# Altium PCB ADAPTONE_CARTE_DE_SON.PcbDoc (part 2 of 2) (continued)
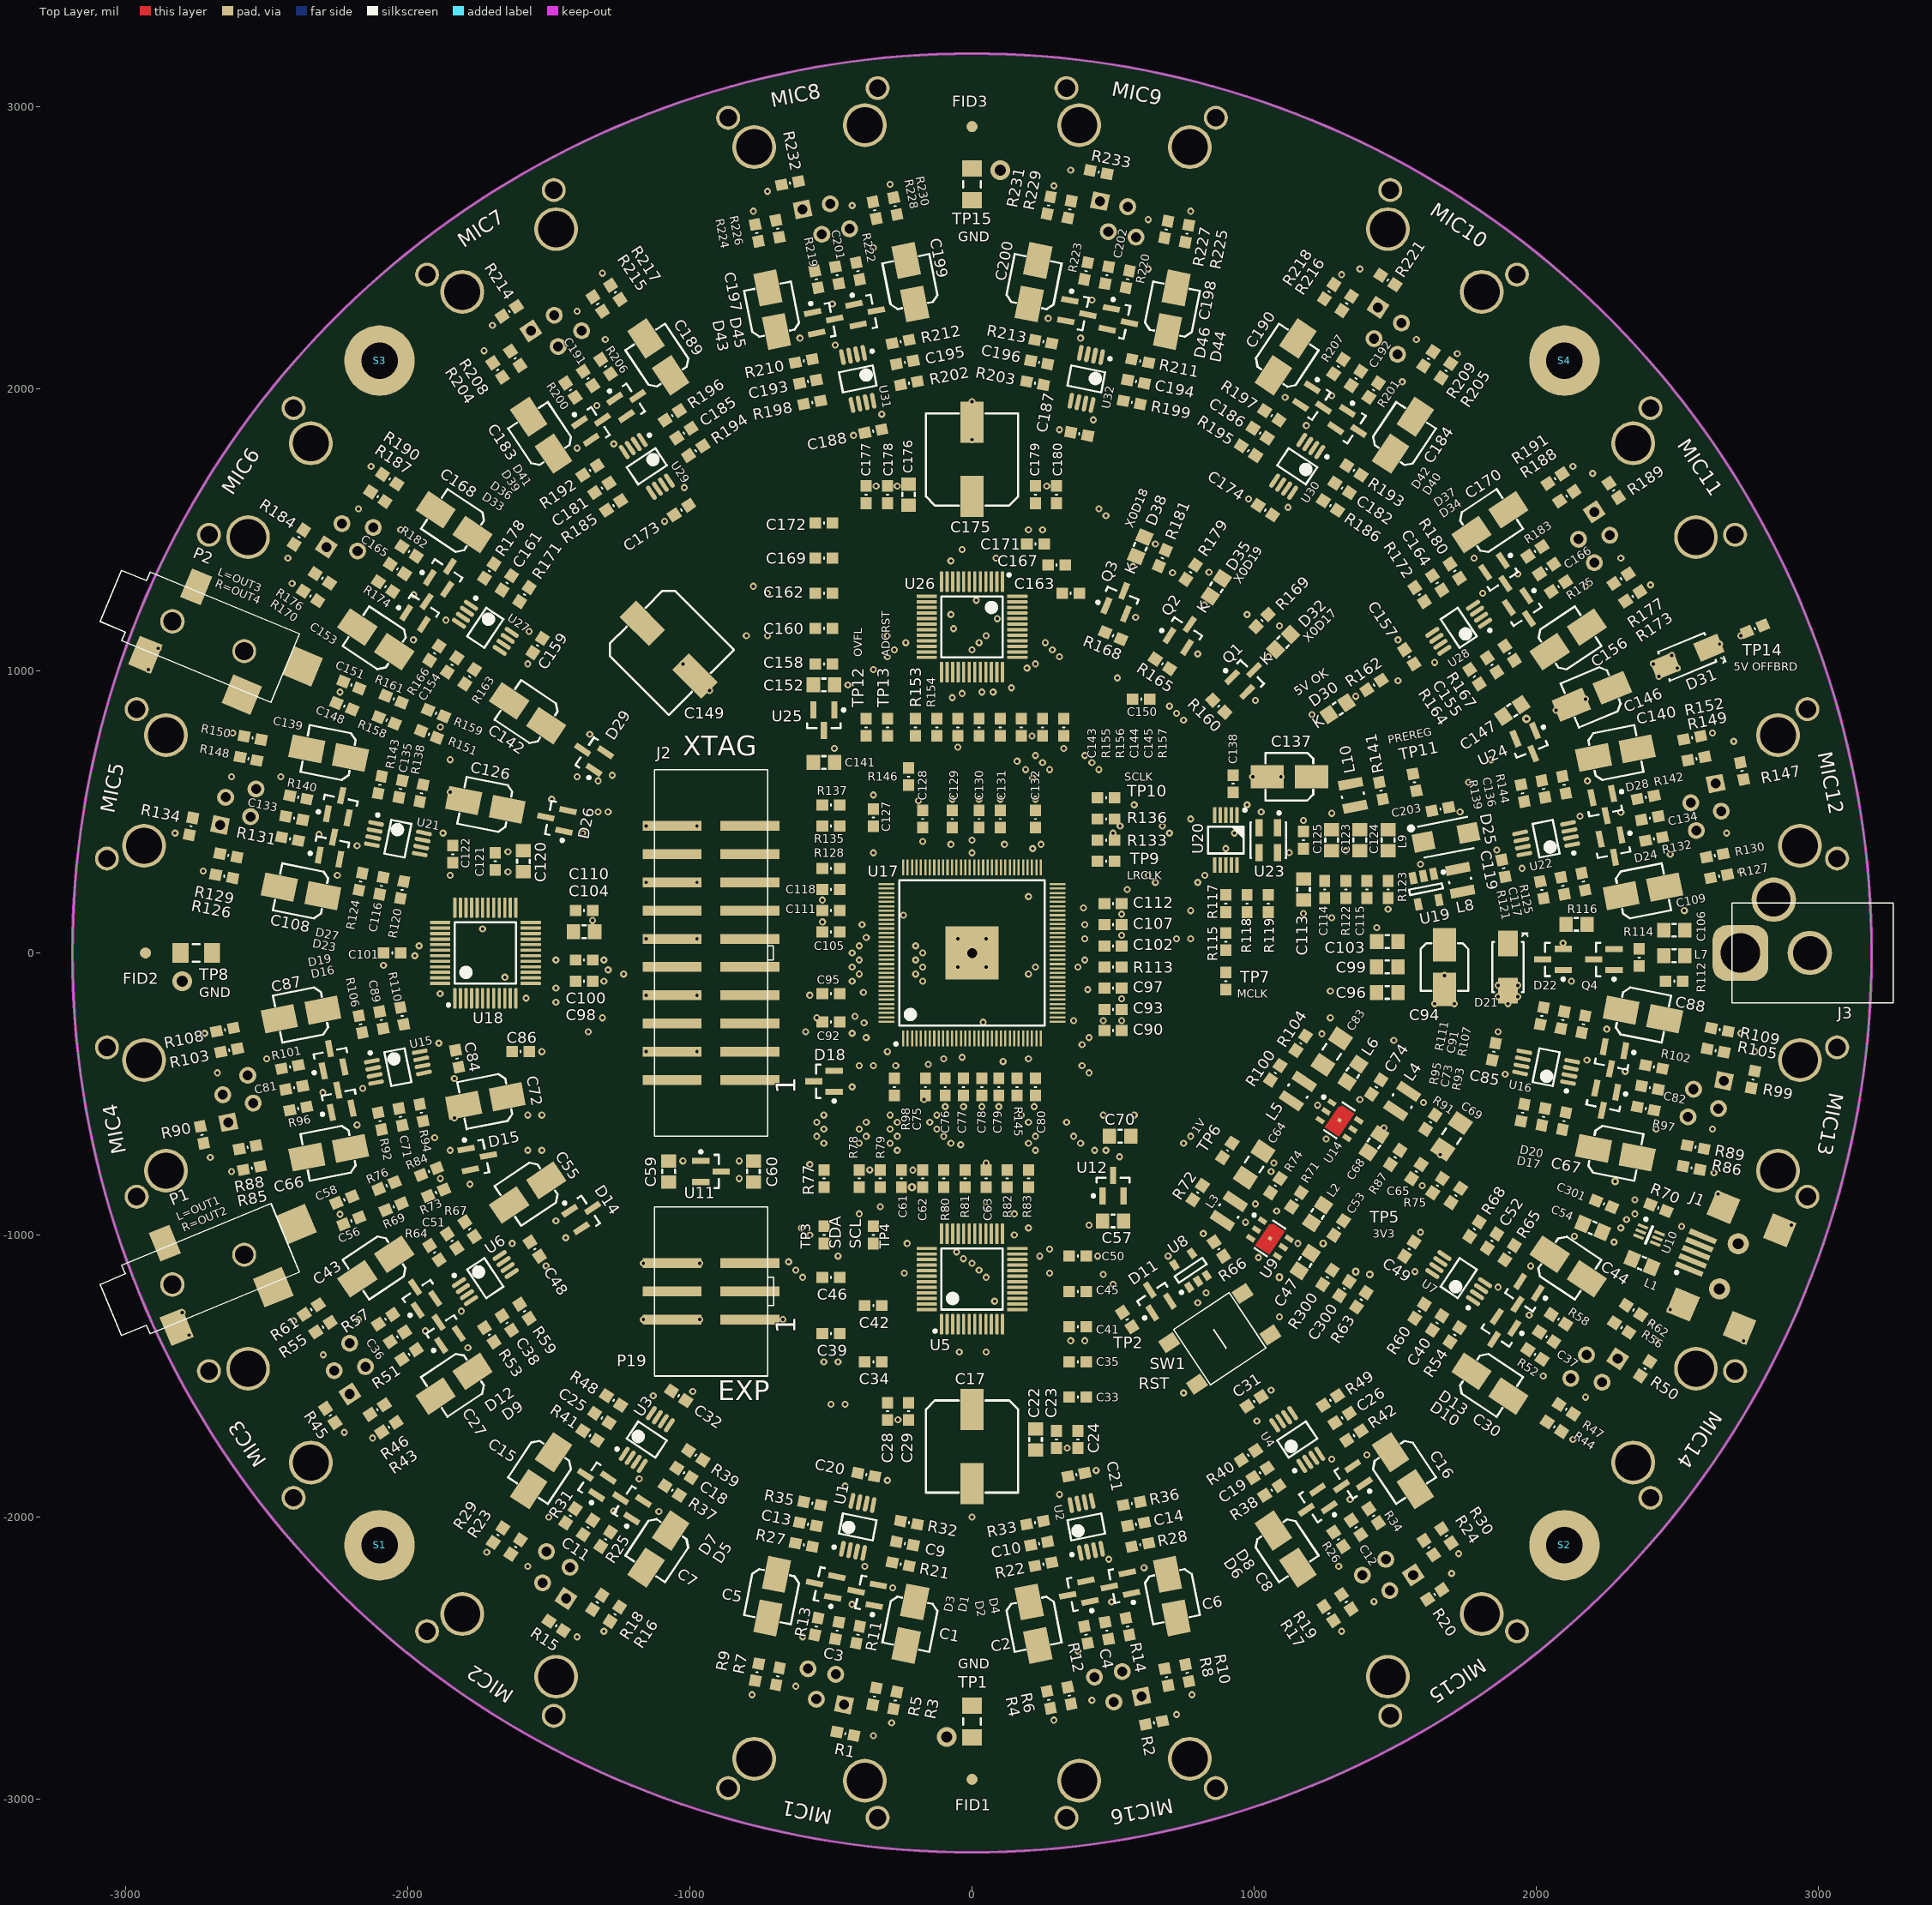
[diagram p0: Top Layer view]
## Nets (pads, with @x,y where several pads share a name; then routed paths per layer and width w, separated by ;. In a path a pad name is that pad's centre, name@x,y a point inside that pad or via, vN(x,y) a via of type N, cw(c..) or ccw(c..) an arc to the next point about the centre after c; other vN are vias at no path point)
+1V0: C53.1 C76.1 C78.1 C79.1 C90.1 C92.1 C93.1 C95.1 C102.1 C112.1 C127.1 C129.1 C131.1 L2.2 R72.1 R128.1 TP6.1 TP6.2 U17.11 U17.16 U17.17 U17.24 U17.36 U17.41 U17.49 U17.56 U17.60 U17.73 U17.80 U17.81 U17.87 U17.101 U17.102 U17.120 U17.126
  other v1: 775,-650 110,-385 -100,-375 -382.5,-247.5 360,-240 465,-240 -385,-140 400,50 395,160 -350,355 0,355 -75,385 115,385
+3V3: C60.1 C61.1 C62.1 C63.1 C69.1 C75.1 C77.1 C80.1 C97.1 C98.1 C101.1 C105.1 C107.1 C111.1 C125.1 C128.1 C130.1 C132.1 C138.1 C143.1 C144.1 C145.1 C301.1 L4.2 R63.1 R77.1 R78.1 R79.1 R91.1 R98.1 R145.1 R157.1 R169.2 R179.2 R181.2 TP5.1 TP5.2 U5.28 U5.33 U5.35 U8.3 U8.5 U11.3 U17.6 U17.14 U17.19 U17.29 U17.42 U17.44 U17.52 U17.67 U17.78 U17.83 U17.92 U17.105 U17.110 U17.111 U18.18 U18.43 U20.1 U23.1 U23.4 U26.28 U26.33 U26.35 U26.38
  other v1: 695,-1075 -100,-905.51 50,-900 -825,-800 -362.5,-769.49 -575,-750 1600,-530.73 -270,-400 -155,-395 200,-375 -35,-370 39.37,-245.63 410,-130 -1475,-25 -1975,-9.84 -375,55 -390,100 400,100 1125,355.71 215,370 -175,395 0,400 975,525 325,725 -70,905 140,940 225,1025 975,1200 710.69,1348.22
  other v2: 1410,-1140 2280,-810
  other v4: -212.5,-830.51
+5V_OFFBOARD: C20.1 C21.1 C31.1 C32.1 C48.1 C49.1 C84.1 C85.1 C119.1 C120.1 C121.1 C122.1 C146.+ C147.1 C157.1 C159.1 C173.1 C174.1 C187.1 C188.1 D1.2 D2.2 D3.2 D4.2 D5.2 D6.2 D7.2 D8.2 D9.2 D10.2 D12.2 D13.2 D14.2 D15.2 D16.2 D17.2 D19.2 D20.2 D23.2 D24.2 D26.2 D27.2 D28.2 D29.2 D31.K D33.2 D34.2 D36.2 D37.2 D39.2 D40.2 D41.2 D42.2 D43.2 D44.2 D45.2 D46.2 R1.2 R2.2 R15.2 R20.2 R45.2 R50.2 R90.2 R99.2 R134.2 R147.2 R162.2 R184.2 R189.2 R214.2 R221.2 R232.2 R233.2 TP14.1 TP14.2 U1.8 U2.8 U3.8 U4.8 U6.8 U7.8 U15.8 U16.8 U18.32 U21.8 U22.8 U24.2 U27.8 U28.8 U29.8 U30.8 U31.8 U32.8
  other v1: -350,-2775 725,-2700 -1400,-2425 -281.06,-2251.06 1700,-2200 610,-2180 -1110,-1980 310,-1920 -450,-1890 1400,-1780 -2225,-1700 1010,-1660 -1130,-1570 -1786.98,-1400 2425,-1375 1570,-1130 1980,-1110 -1630,-1030 -1440,-1010 -1780,-820 -2700,-725 -2180,-610 1890,-430 2775,-350 -1890,-320 2250,-270 -2250,275 -1645,287.6 1950,300 -2825,425 -1875,425 -1490,545 2181.66,610 2700,750 -1355,775 1510,965 1640,1030 2650,1095 -1980,1110 2725,1125 -1570,1140 -2425,1400 1780,1400 1120,1580 -1020,1650 2200,1700 -1400,1790 430,1890 -320,1910 1110,1970 -610,2180 -1700,2225 270,2250 1375,2425 -725,2700 350,2775
+5V_PREREG: C70.1 C123.1 C137.+ C141.1 L10.2 P19.1 R141.1 TP11.1 TP11.2 U12.3 U24.3 U25.3
  other v1: -670,-1300 522.5,-722.5 1275,125 1275,495 1760,605 1840,685 515,975 -350,1005
ADC1_SDOUT1: R155.2 U17.88
ADC1_SDOUT2: R154.2 U17.89
ADC1_SDOUT3: R156.2 U17.62
  other v1: 200,200 245,385
ADC1_SDOUT4: R153.2 U17.90
ADC1_VQ: C133.1 C134.1 C165.1 C166.1 C176.1 C178.1 C191.1 C192.1 C201.1 C202.1 R131.2 R132.1 R140.1 R142.2 R174.2 R175.1 R182.1 R183.2 R200.2 R201.1 R206.1 R207.2 R219.2 R220.1 R222.1 R223.2 U26.7
  other v1: 2475,350 2675,425 -2625,625 -2450,625 2175,1300 2300,1400 -2025,1500 -2175,1575 1525,2025 -1300,2175 1575,2175 -1400,2275 625,2425 -350,2500 625,2600 -425,2650
ADC2_SDOUT1: R81.2 U17.4
ADC2_SDOUT2: R82.2 U17.5
ADC2_SDOUT3: R80.2 U17.3
ADC2_SDOUT4: R83.2 U17.7
ADC2_VQ: C3.1 C4.1 C11.1 C12.1 C22.1 C23.1 C36.1 C37.1 C81.1 C82.1 R11.2 R12.1 R13.1 R14.2 R25.2 R26.1 R31.1 R34.2 R51.2 R52.1 R57.1 R58.2 R96.2 R97.1 R101.1 R102.2 U5.7
  other v1: 425,-2650 -625,-2600 375,-2475 -600,-2425 1425,-2300 -1575,-2175 1300,-2175 -1500,-2000 2175,-1575 2025,-1500 -2300,-1425 -2175,-1300 2425,-625 2625,-625 -2675,-425 -2500,-375
DAC_SDIN1: U17.32 U18.8
  other v1: -525,-625 -400,-625 -290,-625 -125,-625
DAC_SDIN2: U17.91 U18.11
  other v1: -1360,-280 -1310,-230 -400,25 -200,25
GND: C3.2 C4.2 C11.2 C12.2 C17.- C20.2 C21.2 C22.2 C23.2 C24.2 C28.2 C29.2 C31.2 C32.2 C36.2 C37.2 C47.2 C48.2 C49.2 C50.2 C53.2 C54.2 C56.2 C57.2 C58.2 C59.2 C60.2 C61.2 C62.2 C63.2 C64.2 C65.2 C68.2 C69.2 C70.2 C74.2 C75.2 C76.2 C77.2 C78.2 C79.2 C80.2 C81.2 C82.2 C83.2 C84.2 C85.2 C86.2 C90.2 C92.2 C93.2 C94.- C95.2 C96.2 C97.2 C98.2 C99.2 C100.2 C101.2 C102.2 C103.2 C104.2 C105.2 C106.2 C107.2 C110.2 C111.2 C112.2 C113.2 C118.2 C119.2 C120.2 C121.2 C122.2 C123.2 C124.2 C125.2 C127.2 C128.2 C129.2 C130.2 C131.2 C132.2 C133.2 C134.2 C137.- C138.2 C141.2 C143.2 C144.2 C145.2 C146.- C147.2 C148.2 C149.- C151.2 C152.2 C157.2 C158.2 C159.2 C165.2 C166.2 C173.2 C174.2 C175.- C176.2 C177.2 C178.2 C179.2 C180.2 C187.2 C188.2 C191.2 C192.2 C201.2 C202.2 C203.2 C300.2 C301.2 D1.1 D2.1 D3.1 D4.1 D5.1 D6.1 D7.1 D8.1 D9.1 D10.1 D12.1 D13.1 D14.1 D15.1 D16.1 D17.1 D19.1 D20.1 D21.A D22.1 D23.1 D24.1 D26.1 D27.1 D28.1 D29.1 D30.K D31.A D33.1 D34.1 D36.1 D37.1 D39.1 D40.1 D41.1 D42.1 D43.1 D44.1 D45.1 D46.1 D103.K J1.5 J1.MH1 J1.MH2 J1.MH3 J1.MH4 J2.4 J2.8 J2.12 J2.16 J2.20 J3.2 MIC1.3 MIC1.M MIC2.3 MIC2.M MIC3.3 MIC3.M MIC4.3 MIC4.M MIC5.3 MIC5.M MIC6.3 MIC6.M MIC7.3 MIC7.M MIC8.3 MIC8.M MIC9.3 MIC9.M MIC10.3 MIC10.M MIC11.3 MIC11.M MIC12.3 MIC12.M MIC13.3 MIC13.M MIC14.3 MIC14.M MIC15.3 MIC15.M MIC16.3 MIC16.M P1.1 P2.1 P19.2 P19.6 Q1.S Q2.S Q3.S R3.1 R4.1 R9.1 R10.1 R16.1 R17.1 R29.1 R30.1 R43.1 R44.1 R61.1 R62.1 R66.2 R73.1 R74.2 R75.2 R84.1 R85.1 R86.1 R104.2 R108.1 R109.1 R113.1 R123.2 R126.1 R127.1 R150.1 R151.1 R152.1 R159.1 R170.1 R173.1 R190.1 R191.1 R204.1 R205.1 R217.1 R218.1 R224.1 R225.1 R230.1 R231.1 R300.2 S1.1 S2.1 S3.1 S4.1 SW1.2 SW2.2 TP1.1 TP1.2 TP8.1 TP8.2 TP15.1 TP15.2 U1.4 U2.4 U3.4 U4.4 U5.3 U5.5 U5.8 U5.10 U5.19 U5.21 U5.22 U5.29 U5.32 U5.34 U5.37 U5.38 U5.42 U6.4 U7.4 U8.2 U9.2 U9.PAD U10.2 U11.1 U12.1 U14.2 U14.PAD U15.4 U16.4 U17.104 U17.129 U18.1 U18.2 U18.3 U18.5 U18.10 U18.12 U18.17 U18.31 U18.42 U18.44 U18.45 U18.46 U18.47 U18.48 U19.2 U20.2 U20.8 U21.4 U22.4 U23.2 U24.1 U25.1 U26.3 U26.5 U26.8 U26.10 U26.19 U26.21 U26.22 U26.29 U26.32 U26.34 U26.37 U26.42 U27.4 U28.4 U29.4 U30.4 U31.4 U32.4 | length 42.4
  GND Plane w10: v1(2320,-945) 2350,-975
  other v1: -285,-2730 290,-2720 -780,-2630 780,-2630 -1305,-2405 1310,-2405 -425.29,-2309.59 494.78,-2300.77 -380,-2175 485,-2150 1725,-2130 -1720,-2125 0,-2000 -1270,-1979.26 1340,-1937.49 -300,-1870 -1180,-1865 440,-1835 1275,-1795 337.5,-1755.51 2130,-1725 -2125,-1720 -262.5,-1655.51 750,-1560 -990,-1555 1060,-1550 -45,-1415 50,-1415 2735,-1375 -2775,-1355 -1937.49,-1340 2410,-1310 -2405,-1305 -1165,-1300 -965,-1300 1090,-1290 1975,-1283.86 -2800,-1275 -1810,-1270 2475,-1265 80,-1235 -68.9,-1231.1 830,-1205 1865,-1185 -240,-1135 275,-1135 -1510,-1110 -1165,-1100 -965,-1100 1015,-1080 240,-1075 445,-1075 -55,-1060 -230,-1030 2135,-1005 820,-995 1590,-990 2515,-970 415,-965 2905,-965 970,-955 -1475,-950 -2240,-926.24 2645,-855 1595.55,-825.37 -1885,-800 2630,-780 -2625,-775 1060,-775 -210,-770 50,-745 1070,-745 -1025,-737.6 -825,-737.6 1660,-715 -1850,-700 475,-700 1255,-660 1460,-620 -95,-545 -30,-545 35,-545 95,-545 220,-545 1225,-540 -170,-520 1375,-520 -2300.73,-495 -2160,-480 -1835,-445 2315.65,-420 2180,-380 -1525,-350 -1155,-350 -975,-350 1240,-286.71 -2720,-285 2725,-285 1865,-280 530,-240 -550,-230 1640,-180 1710,-180 1900,-180 530.51,-162.5 -1580.43,-160.43 1865,-155 1935,-155 -1155,-150 -975,-150 -575,-150 -1885.43,-144.57 1865,-115 1935,-115 -1305,-100 2125,-100 -1656.1,-86.1 1675,-80 -50,-50 50,-50 -2086.02,-43.98 -1305,-25 -1960,25 -1155,50 -975,50 -50,50 50,50 530.51,62.5 -1735,85 1435,90 -530,110 -1345,115 -243,133.98 530.51,137.5 1175,140 2525,150 1475,155 -530.51,187.5 -1155,250 -975,250 -1850,275 -2725,290 2725,290 1590,315 -1645,358.61 1325,362.6 1860,365 900,370 -2180,380 -2315,420 -1380,425 930,425 -1155,450 -975,450 1175,470 2155,485 2300,498.65 1025,500 1730,500 -190,540 -70,545 25,545 100,545 225,545 -350,560 -1325,610 995,625 1095,625 -487.6,725 -50,730 212.5,769.49 -2620,780 2625,780 -1884.31,800.82 1205,845 2070,860 1005,895 2175,900 -35,920 -2240,925 35,925 75,925 -930,930 -440,950 2435,980 -2920,1005 195,1010 2500,1010 -1575,1025 -1025,1025 2415,1025 2480,1055 800,1060 -2885,1080 -235,1100 1510,1110 -300,1125 -1865,1180 90,1185 580,1190 15,1250 -1979.26,1270 1810,1275 2405,1305 -2410,1310 1935,1343.73 -75,1390 85,1400 -35,1430 -1090,1530 980,1610 -340,1655 -265,1655 265,1655 -2130,1725 2130,1725 -1270,1805 0,1820 -420,1835 310,1855 1185,1870 -1330,1940.83 0,1955 1275,1975.92 1720,2125 -1730,2135 -485,2155 385,2180 -495,2300.73 425,2314.65 1310,2405 -1310,2410 -775,2630 775,2630 290,2720 -290,2725
  other v2: 1360,-1130 1245,-1030
  other v3: -90,-2780 -2800,-100 100,2775
  other v4: 1965.68,830
  other v5: 0,0
I2C_SCL: P19.3 R78.2 TP4.1 TP4.2 U5.39 U17.37 U18.15 U20.9 U26.39
  other v1: -600,-1150 0,-1100 -475,-1075 150,-1000 -400,-925 -325,-900 390,-400 390,-325 625,275 825,275
I2C_SDA: P19.4 R77.2 TP3.1 TP3.2 U5.40 U17.38 U18.16 U20.10 U26.40
  other v1: -625,-1125 25,-1125 -575,-1000 200,-975 415,-425 415,-300 -1475,-175 -1475,-125 650,250 800,250
IN1_N: C162.2 R120.2 R124.2 U26.16
  other v1: -725,1125 -725,1275
IN1_P: C162.1 R138.2 R143.2 U26.15
  other v1: -800,1125 -775,1300
IN2_N: C160.2 R163.2 R166.2 U26.18
IN2_P: C160.1 R171.2 R178.2 U26.17
IN3_N: C169.2 R185.2 R192.2 U26.14
IN3_P: C169.1 R194.2 R196.2 U26.13
IN4_N: C172.2 R198.2 R210.2 U26.12
IN4_P: C172.1 R202.2 R212.2 U26.11
IN5_N: C167.2 R203.2 R213.2 U26.48
IN5_P: C167.1 R199.2 R211.2 U26.47
IN6_N: C171.2 R195.2 R197.2 U26.2
  other v1: 200,1500 450,1575
IN6_P: C171.1 R186.2 R193.2 U26.1
  other v1: 250,1500 475,1550
IN7_N: C163.2 R172.2 R180.2 U26.46
IN7_P: C163.1 R164.2 R167.2 U26.45
IN8_N: C150.2 R139.2 R144.2 U26.44
IN8_P: C150.1 R121.2 R125.2 U26.43
IN9_N: C41.2 R107.2 R111.2 U5.16
  other v1: 400,-1375 464.64,-1139.64
IN9_P: C41.1 R93.2 R95.2 U5.15
  other v1: 350,-1375 500,-1175
IN10_N: C45.2 R65.2 R68.2 U5.18
IN10_P: C45.1 R54.2 R60.2 U5.17
IN11_N: C35.2 R42.2 R49.2 U5.14
IN11_P: C35.1 R38.2 R40.2 U5.13
IN12_N: C33.2 R28.2 R36.2 U5.12
IN12_P: C33.1 R22.2 R33.2 U5.11
IN13_N: C39.2 R21.2 R32.2 U5.48
  other v1: -450,-1600 -475,-1450
IN13_P: C39.1 R27.2 R35.2 U5.47
  other v1: -500,-1600 -525,-1450
IN14_N: C34.2 R37.2 R39.2 U5.2
IN14_P: C34.1 R41.2 R48.2 U5.1
IN15_N: C42.2 R53.2 R59.2 U5.46
IN15_P: C42.1 R64.2 R67.2 U5.45
IN16_N: C46.2 R92.2 R94.2 U5.44
IN16_P: C46.1 R106.2 R110.2 U5.43
LRCLK: R133.1 TP9.1 TP9.2 U5.24 U18.7 U26.24
  other v1: -550,-650 -375,-650 -265,-650 -100,-650 225,-650 360,-650 500,425 700,425 285,1075 25,1100
MCLK_AUDIO: R115.1 R146.2 TP7.1 TP7.2 U5.23 U18.6 U26.23
  other v1: -525,-675 -400,-675 -290,-675 -75,-675 200,-675 385,-675 725,50 775,50 260,1100 50,1125
MCLK_XCORE: R115.2 R117.2 U17.13 U17.63
  other v1: 775,150 550,225
NetC1_+: C1.+ D1.3 R11.1 U1.5
NetC1_-: C1.- R3.2 R5.2
NetC2_+: C2.+ D2.3 R12.2 U2.3
NetC2_-: C2.- R4.2 R6.2
NetC5_+: C5.+ D3.3 R13.2 U1.3
NetC5_-: C5.- R7.2 R9.2
NetC6_+: C6.+ D4.3 R14.1 U2.5
NetC6_-: C6.- R8.2 R10.2
NetC7_+: C7.+ D5.3 R25.1 U3.5
NetC7_-: C7.- R16.2 R18.2
NetC8_+: C8.+ D6.3 R26.2 U4.3
NetC8_-: C8.- R17.2 R19.2
NetC9_1: C9.1 R21.1 U1.6
NetC9_2: C9.2 R32.1 U1.7
NetC10_1: C10.1 R22.1 U2.2
NetC10_2: C10.2 R33.1 U2.1
NetC13_1: C13.1 R27.1 U1.2
NetC13_2: C13.2 R35.1 U1.1
NetC14_1: C14.1 R28.1 U2.6
NetC14_2: C14.2 R36.1 U2.7
NetC15_+: C15.+ D7.3 R31.2 U3.3
NetC15_-: C15.- R23.2 R29.2
NetC16_+: C16.+ D8.3 R34.1 U4.5
NetC16_-: C16.- R24.2 R30.2
NetC17_+: C17.+ C29.1 U5.6
NetC18_1: C18.1 R37.1 U3.6
NetC18_2: C18.2 R39.1 U3.7
NetC19_1: C19.1 R38.1 U4.2
NetC19_2: C19.2 R40.1 U4.1
NetC24_1: C24.1 C28.1 C50.1 C57.1 U5.4 U5.9 U5.20 U12.2
NetC25_1: C25.1 R41.1 U3.2
NetC25_2: C25.2 R48.1 U3.1
NetC26_1: C26.1 R42.1 U4.6
NetC26_2: C26.2 R49.1 U4.7
NetC27_+: C27.+ D9.3 R51.1 U6.5
NetC27_-: C27.- R43.2 R46.2
NetC30_+: C30.+ D10.3 R52.2 U7.3
NetC30_-: C30.- R44.2 R47.2
NetC38_1: C38.1 R53.1 U6.6
NetC38_2: C38.2 R59.1 U6.7
NetC40_1: C40.1 R54.1 U7.2
NetC40_2: C40.2 R60.1 U7.1
NetC43_+: C43.+ D12.3 R57.2 U6.3
NetC43_-: C43.- R55.2 R61.2
NetC44_+: C44.+ D13.3 R58.1 U7.5
NetC44_-: C44.- R56.2 R62.2
NetC51_1: C51.1 R64.1 U6.2
NetC51_2: C51.2 R67.1 U6.1
NetC52_1: C52.1 R65.1 U7.6
NetC52_2: C52.2 R68.1 U7.7
NetC55_+: C55.+ D14.3 U18.39
  other v1: -1525,-700 -1525,-575
NetC55_-: C55.- R69.1 R73.2
NetC56_1: C56.1 P1.2 P1.4 R69.2
NetC58_1: C58.1 P1.3 R76.2
NetC59_1: C59.1 C86.1 U11.2 U18.4
NetC64_1: C64.1 L2.1 L3.2 R71.1
  other v1: 1080,-915 1005,-890
NetC65_1: C65.1 R75.1 R87.2 U14.6
NetC66_+: C66.+ D16.3 R96.1 U15.5
NetC66_-: C66.- R85.2 R88.2
NetC67_+: C67.+ D17.3 R97.2 U16.3
NetC67_-: C67.- R86.2 R89.2
NetC71_1: C71.1 R92.1 U15.6
NetC71_2: C71.2 R94.1 U15.7
NetC72_+: C72.+ D15.3 U18.38
  other v1: -1575,-700 -1575,-575
NetC72_-: C72.- R76.1 R84.2
  other v1: -1905,-655 -1835,-585
NetC73_1: C73.1 R93.1 U16.2
NetC73_2: C73.2 R95.1 U16.1
NetC74_1: C74.1 L4.1 L6.2 R91.2
NetC83_1: C83.1 L5.2 L6.1 R100.1
NetC87_+: C87.+ D19.3 R101.2 U15.3
NetC87_-: C87.- R103.2 R108.2
NetC88_+: C88.+ D20.3 R102.1 U16.5
NetC88_-: C88.- R105.2 R109.2
NetC89_1: C89.1 R106.1 U15.2
NetC89_2: C89.2 R110.1 U15.1
NetC91_1: C91.1 R107.1 U16.6
NetC91_2: C91.2 R111.1 U16.7
NetC100_1: C100.1 C149.+ U18.20
  other v1: -1290,500 -1275,630
NetC104_1: C104.1 C110.1 U18.21
NetC108_+: C108.+ D23.3 R131.1 U21.5
NetC108_-: C108.- R126.2 R129.2
NetC109_+: C109.+ D24.3 R132.2 U22.3
NetC109_-: C109.- R127.2 R130.2
NetC113_1: C113.1 C114.2 C203.1 D25.K L9.1 R122.2
NetC114_1: C114.1 C115.2
NetC115_1: C115.1 R122.1 R123.1 U19.3
NetC116_1: C116.1 R124.1 U21.6
NetC116_2: C116.2 R120.1 U21.7
NetC117_1: C117.1 R125.1 U22.2
NetC117_2: C117.2 R121.1 U22.1
NetC118_1: C118.1 R128.2 U17.103
NetC124_1: C124.1 L9.2 L10.1 R141.2
NetC126_+: C126.+ D26.3 U18.35
NetC126_-: C126.- R151.2 R158.1
  other v1: -1850,570 -1850,685
NetC135_1: C135.1 R143.1 U21.2
NetC135_2: C135.2 R138.1 U21.1
NetC136_1: C136.1 R144.1 U22.6
NetC136_2: C136.2 R139.1 U22.7
NetC139_+: C139.+ D27.3 R140.2 U21.3
NetC139_-: C139.- R148.2 R150.2
NetC140_+: C140.+ D28.3 R142.1 U22.5
NetC140_-: C140.- R149.2 R152.2
NetC142_+: C142.+ D29.3 U18.34
  other v1: -1325,500 -1400,625
NetC142_-: C142.- R159.2 R161.1
NetC148_1: C148.1 P2.2 P2.4 R158.2
NetC151_1: C151.1 P2.3 R161.2
NetC152_1: C152.1 C158.1 C177.1 C180.1 U25.2 U26.4 U26.9 U26.20
NetC153_+: C153.+ D33.3 R174.1 U27.5
NetC153_-: C153.- R170.2 R176.2
NetC154_1: C154.1 R166.1 U27.6
NetC154_2: C154.2 R163.1 U27.7
NetC155_1: C155.1 R167.1 U28.2
NetC155_2: C155.2 R164.1 U28.1
NetC156_+: C156.+ D34.3 R175.2 U28.3
NetC156_-: C156.- R173.2 R177.2
NetC161_1: C161.1 R178.1 U27.2
NetC161_2: C161.2 R171.1 U27.1
NetC164_1: C164.1 R180.1 U28.6
NetC164_2: C164.2 R172.1 U28.7
NetC168_+: C168.+ D36.3 R182.2 U27.3
NetC168_-: C168.- R187.2 R190.2
NetC170_+: C170.+ D37.3 R183.1 U28.5
NetC170_-: C170.- R188.2 R191.2
NetC175_+: C175.+ C179.1 U26.6
NetC181_1: C181.1 R192.1 U29.6
NetC181_2: C181.2 R185.1 U29.7
NetC182_1: C182.1 R193.1 U30.2
NetC182_2: C182.2 R186.1 U30.1
NetC183_+: C183.+ D39.3 R200.1 U29.5
NetC183_-: C183.- R204.2 R208.2
NetC184_+: C184.+ D40.3 R201.2 U30.3
NetC184_-: C184.- R205.2 R209.2
NetC185_1: C185.1 R196.1 U29.2
NetC185_2: C185.2 R194.1 U29.1
NetC186_1: C186.1 R197.1 U30.6
NetC186_2: C186.2 R195.1 U30.7
NetC189_+: C189.+ D41.3 R206.2 U29.3
NetC189_-: C189.- R215.2 R217.2
NetC190_+: C190.+ D42.3 R207.1 U30.5
NetC190_-: C190.- R216.2 R218.2
NetC193_1: C193.1 R210.1 U31.6
NetC193_2: C193.2 R198.1 U31.7
NetC194_1: C194.1 R211.1 U32.2
NetC194_2: C194.2 R199.1 U32.1
NetC195_1: C195.1 R212.1 U31.2
NetC195_2: C195.2 R202.1 U31.1
NetC196_1: C196.1 R213.1 U32.6
NetC196_2: C196.2 R203.1 U32.7
NetC197_+: C197.+ D43.3 R219.1 U31.5
NetC197_-: C197.- R224.2 R226.2
NetC198_+: C198.+ D44.3 R220.2 U32.3
NetC198_-: C198.- R225.2 R227.2
NetC199_+: C199.+ D45.3 R222.2 U31.3
NetC199_-: C199.- R228.2 R230.2
NetC200_+: C200.+ D46.3 R223.1 U32.5
NetC200_-: C200.- R229.2 R231.2
NetC300_1: C300.1 R63.2 R300.1 U9.6
  other v1: 1155,-1030
  other v2: 1090,-1150
NetD11_1: D11.1 D18.1 R98.2 TP2.1 TP2.2 U17.123 U17.124
  other v1: 750,-675 -290,-575 -125,-575 175,-575 465,-575 575,-575 -425,-475 -350,-400 -425,-285
NetD11_2: D11.2 D11.3 SW1.1 SW2.1 U8.1
  other v1: 800,-1240
NetD22_3: D22.3 Q4.G R112.2 R114.1
NetD25_A: D25.A L8.2 U19.1
NetD30_A: D30.A D103.A R162.1
  other v1: 1360,910
NetD32_A: D32.A D100.A R169.1
  other v1: 1090,1160
NetD32_K: D32.K D100.K Q1.D
  other v1: 1050,1050
NetD35_A: D35.A D102.A R179.1
  other v1: 840,1350
NetD35_K: D35.K D102.K Q2.D
  other v1: 823.61,1233.61
NetD38_A: D38.A D101.A R181.1
  other v1: 650,1450
NetD38_K: D38.K D101.K Q3.D
  other v1: 570,1370
NetJ1_1: J1.1 L1.2
NetJ1_4: J1.4 R70.1
NetJ3_1: J3.1 L7.1
NetJ3_3: J3.3 R112.1
NetL3_1: L3.1 U9.3
NetL5_1: L5.1 U14.3
NetMIC1_1: MIC1.1 R1.1
NetMIC1_2: MIC1.2 R5.1
NetMIC1_4: MIC1.4 R7.1
NetMIC2_1: MIC2.1 R15.1
NetMIC2_2: MIC2.2 R18.1
NetMIC2_4: MIC2.4 R23.1
NetMIC3_1: MIC3.1 R45.1
NetMIC3_2: MIC3.2 R46.1
NetMIC3_4: MIC3.4 R55.1
NetMIC4_1: MIC4.1 R90.1
NetMIC4_2: MIC4.2 R88.1
NetMIC4_4: MIC4.4 R103.1
NetMIC5_1: MIC5.1 R134.1
NetMIC5_2: MIC5.2 R129.1
NetMIC5_4: MIC5.4 R148.1
NetMIC6_1: MIC6.1 R184.1
NetMIC6_2: MIC6.2 R176.1
NetMIC6_4: MIC6.4 R187.1
NetMIC7_1: MIC7.1 R214.1
NetMIC7_2: MIC7.2 R208.1
NetMIC7_4: MIC7.4 R215.1
NetMIC8_1: MIC8.1 R232.1
NetMIC8_2: MIC8.2 R226.1
NetMIC8_4: MIC8.4 R228.1
NetMIC9_1: MIC9.1 R233.1
NetMIC9_2: MIC9.2 R229.1
NetMIC9_4: MIC9.4 R227.1
NetMIC10_1: MIC10.1 R221.1
NetMIC10_2: MIC10.2 R216.1
NetMIC10_4: MIC10.4 R209.1
NetMIC11_1: MIC11.1 R189.1
NetMIC11_2: MIC11.2 R188.1
NetMIC11_4: MIC11.4 R177.1
NetMIC12_1: MIC12.1 R147.1
NetMIC12_2: MIC12.2 R149.1
NetMIC12_4: MIC12.4 R130.1
NetMIC13_1: MIC13.1 R99.1
NetMIC13_2: MIC13.2 R105.1
NetMIC13_4: MIC13.4 R89.1
NetMIC14_1: MIC14.1 R50.1
NetMIC14_2: MIC14.2 R56.1
NetMIC14_4: MIC14.4 R47.1
NetMIC15_1: MIC15.1 R20.1
NetMIC15_2: MIC15.2 R24.1
NetMIC15_4: MIC15.4 R19.1
NetMIC16_1: MIC16.1 R2.1
NetMIC16_2: MIC16.2 R8.1
NetMIC16_4: MIC16.4 R6.1
NetP19_5: P19.5 U17.122
  other v1: -650,-1095 -605,-975 -525,-575 -590,-280
NetQ1_G: Q1.G R160.2
NetQ2_G: Q2.G R165.2
NetQ3_G: Q3.G R168.2
NetR66_1: R66.1 R72.2 U8.4
NetR70_2: R70.2 U17.43
  other v1: 2350,-875 200,-75
NetR71_2: R71.2 R74.1 U9.1
NetR79_2: R79.2 R157.2 TP12.1 TP12.2 U5.36 U17.96 U26.36
  other v1: -30.83,-1084.17 150,-925 -300,1050 -65,1150
NetR80_1: R80.1 U5.31
NetR81_1: R81.1 U5.30
NetR82_1: R82.1 U5.27
NetR83_1: R83.1 U5.26
NetR100_2: R100.2 R104.1 U14.1
NetR113_2: R113.2 U17.48
NetR117_1: R117.1 R118.2 U20.3
NetR118_1: R118.1 R119.1 U20.7 U23.3
NetR119_2: R119.2 U17.125
  other v1: -265,-700 225,-700 435,-700 -40,-680 -400,-400 -415,-225
NetR133_2: R133.2 U17.64
NetR135_2: R135.2 U17.10
  other v1: -425,-50 -175,-50
NetR136_2: R136.2 U17.66
NetR137_2: R137.2 U17.12
  other v1: -400,-25 -200,-25
NetR145_2: R145.2 U17.27
NetR146_1: R146.1 U17.93
NetR153_1: R153.1 U26.26
NetR154_1: R154.1 U26.27
NetR155_1: R155.1 U26.30
NetR156_1: R156.1 U26.31
NetR160_1: R160.1 U17.69
  other v1: 215,620 275,650 450,650 750,825
NetR165_1: R165.1 U17.70
  other v1: 190,650 250,675 425,675 725,850
NetR168_1: R168.1 U17.71
  other v1: 160,680 225,700 400,700 700,875
NetTP13_1: TP13.1 TP13.2 U5.41 U17.95 U26.41
  other v1: 50,-1150 275,-1050 -275,1075 -75,1200
NetU17_15: U17.15
NetU17_18: U17.18
NetU17_20: U17.20
NetU17_21: U17.21
NetU17_30: U17.30 U20.5
  other v1: 775,475 575,525
NetU17_57: U17.57
NetU17_58: U17.58
NetU17_59: U17.59
NetU17_61: U17.61
NetU17_68: U17.68
NetU17_72: U17.72
NetU17_74: U17.74
NetU17_85: U17.85
NetU17_86: U17.86
NetU17_94: U17.94 U18.19
  other v1: -1235,-75 -1290,-60 -425,0 -175,0
NetU17_97: U17.97
NetU17_98: U17.98
NetU17_99: U17.99
NetU17_100: U17.100
NetU17_106: U17.106
NetU17_107: U17.107
NetU17_108: U17.108
NetU17_109: U17.109
NetU17_112: U17.112
NetU17_113: U17.113
NetU17_114: U17.114
NetU17_115: U17.115
NetU17_116: U17.116
NetU17_117: U17.117
NetU17_118: U17.118
NetU17_119: U17.119
NetU17_121: U17.121
NetU18_13: U18.13
NetU18_14: U18.14
NetU18_24: U18.24
NetU18_25: U18.25
NetU18_28: U18.28
NetU18_29: U18.29
SCLK: R136.1 TP10.1 TP10.2 U5.25 U18.9 U26.25
  other v1: -550,-600 -375,-600 -265,-600 -149.76,-600 200,-600 335,-600 525,450 675,450 310,1050 0,1075
TCK: J2.9 U17.128
TDI: J2.5 U17.2
TDO: J2.13 U17.1
  other v1: -300,-350 -375,-300
TMS: J2.7 U17.127
USB_D_N: U10.3 U17.47
  other v1: 2300,-975 400,-25
USB_D_P: U10.1 U17.46
  other v1: 2350,-925 375,-50
USB_DA_N: J1.2 U10.4
USB_DA_P: J1.3 U10.6
VIN: C47.1 C68.1 C94.+ C96.1 C99.1 C103.1 D21.K L8.1 R87.1 R116.2 U9.4 U9.5 U14.4 U14.5 U19.4 U19.5
  other v1: 1270,-230 1270,-135
VIN_CONN: C106.1 L7.2 Q4.S R116.1
VUSB: C54.1 D22.2 L1.1 Q4.D R114.2 U10.5 U17.45
  other v1: 2276,-1025 1495,-310 225,-50 2095,35
XL_DN0: J2.14 U17.9
  other v1: -425,-100 -175,-100
XL_DN1: J2.18 U17.8
  other v1: -400,-75 -200,-75
XL_UP0: J2.10 R135.1
XL_UP1: J2.6 R137.1
XSYS_RST_N: D18.2 D18.3 J2.15
pads on no net: FID1.0 FID2.0 FID3.0 FID4.0 FID5.0 FID6.0 J1. J2.1 J2.2 J2.3 J2.11 J2.17 J2.19 P1. P2. SW1.3 SW1.4 SW2.3 SW2.4 U17.22 U17.23 U17.25 U17.26 U17.28 U17.31 U17.33 U17.34 U17.35 U17.39 U17.40 U17.50 U17.51 U17.53 U17.54 U17.55 U17.65 U17.75 U17.76 U17.77 U17.79 U17.82 U17.84 U18.22 U18.23 U18.26 U18.27 U18.30 U18.33 U18.36 U18.37 U18.40 U18.41 U20.4 U20.6

## Polygon pours and split planes (outlines as drawn)
GND on GND Plane "GND" (solid, remove dead copper, pour order 3): -3250,3250 3250,3250 3250,-3250 -3250,-3250
+3V3 on Signal Layer 2 "3V3" (solid, remove dead copper, pour order 2): -3580,3300 3800,3300 3820,-3820 -3580,-3810

## Keep-outs
Keep-Out Layer:
  circle w10: c0,0 r3188.98

## Silkscreen, mask and mechanical layers (free items; w line width, h text height)
Top Overlay:
  text "MIC9" at 489.09,3022.66 h90 r348.75
  text "MIC8" at -704.86,2979.74 h90 r11.25
  text "MIC10" at 1608.58,2605.41 h90 r326.25
  text "GND" at -50,2510 h60
  text "MIC7" at -1791.51,2483.18 h90 r33.75
  text "MIC11" at 2483.18,1791.51 h90 r303.75
  text "MIC6" at -2605.41,1608.58 h90 r56.25
  text "X0D18" at 580,1500 h55 r67.5
  text "L=OUT3" at -2680,1330 h50 r337.5
  text "X0D19" at 960,1300 h55 r56.25
  text "R=OUT4" at -2690,1290 h50 r337.5
  text "X0D17" at 1200,1090 h55 r45
  text "OVFL" at -380,1050 h50 r90
  text "ADCRST" at -280,1050 h50 r90
  text "5V OFFBRD" at 2700,990 h50
  text "5V OK" at 1160,900 h55 r33.75
  text "PREREG" at 1480,730 h50 r11.25
  text "MIC12" at 2979.74,704.86 h90 r281.25
  text "XTAG" at -1025,675 h120
  text "SCLK" at 540,600 h50
  text "MIC5" at -3022.66,489.09 h90 r78.75
  text "LRCLK" at 550,250 h50
  text "GND" at -2740,-170 h60
  text "MCLK" at 940,-170 h50
  text "MIC13" at 3022.66,-489.09 h90 r258.75
  text "1V" at 810,-650 h50 r56.25
  text "MIC4" at -2979.74,-704.86 h90 r101.25
  text "L=OUT1" at -2810,-960 h50 r22.5
  text "R=OUT2" at -2790,-1000 h50 r22.5
  text "3V3" at 1420,-1020 h50
  text "SDA" at -450,-1050 h70 r90
  text "SCL" at -380,-1050 h70 r90
  text "RST" at 590,-1560 h70
  text "MIC14" at 2605.41,-1608.58 h90 r236.25
  text "EXP" at -900,-1610 h120
  text "MIC3" at -2483.18,-1791.51 h90 r123.75
  text "MIC15" at 1791.51,-2483.18 h90 r213.75
  text "GND" at -50,-2550 h60
  text "MIC2" at -1608.58,-2605.41 h90 r146.25
  text "MIC16" at 704.86,-2979.74 h90 r191.25
  text "MIC1" at -489.09,-3022.66 h90 r168.75
Bottom Overlay:
  drawing of 3356 lines, arcs and shapes, not listed
  text "X0D18" at 710,1570 h66 r337.5
  text "X0D19" at 1000,1400 h66 r326.25
  text "X0D17" at 1250,1180 h66 r315
  text "Audio out" at -2356,1156 h70 r67.5
  text "5V OK" at 1460,920 h66 r303.75
  text "+" at 2275,240 h100 r90
  text "5VDC / 1A" at 2454,-122 h70 r270
  text "-" at 2275,-140 h120 r90
  text "Aux. power" at 2551,-141 h70 r270
  text "2.5mm / 5.5mm" at 2368,-191 h70 r270
  text "Rev .RevisionGlobal" at -370,-530 h140
  text "16SoundsUSB" at 590,-530 h140
  text "https://github.com/introlab" at 790,-690 h140
  text "Audio out" at -2477,-843 h70 r112.5
  text "USB to Host" at 2438,-1208 h70 r247.5
  text "cba" at 730,-1250 h500
  text "http://creativecommons.org" at 640,-1350 h120
  text "RESET" at 1175,-1550 h60 r33.75
Mechanical 2:
  circle w10: c0,0 r3188.98
  text "Overall diameter: 6380mils" at -575,3225 h100
  text "Mounting hole 1/4" at -1935,2135 h100
  text "Mounting hole 2/4" at 1560,1880 h100
  text "LED X0D18" at 635,1665 h100
  text "1560mils/67.5deg" at 630,1570 h100
  text "LED X0D19" at 985,1445 h100
  text "1560mils/56.25deg" at 980,1350 h100
  text "LED X0D17" at 1245,1175 h100
  text "1560mils/45deg" at 1240,1080 h100
  text "Audio out connector" at -2733.75,940 h100
  text "LED Power" at 1460,925 h100
  text "2950mils, 157.5deg" at -2733.75,855 h100
  text "1560mils/33.75deg" at 1445,835 h100
  text "Power connector" at 3266.25,75 h100
  text "2875mils, 0deg" at 3266.25,-10 h100
  text "X0, Y0 (dimensions in mils)" at 85,-180 h100
  text "Audio out connector" at -2583.75,-1195 h100
  text "USB connector" at 3001.25,-1225 h100
  text "Reset Button" at 990,-1275 h160
  text "2950mils, -157.5deg" at -2583.75,-1280 h100
  text "2950mils, -22.5deg" at 3001.25,-1310 h100
  text "1610mils/-57.3deg" at 995,-1400 h100
  text "Mounting hole 4/4" at 1610,-1935 h100
  text "Mounting hole 3/4" at -2245,-1955 h100
  text "LEDs and reset button can be mounted on top or bottom (default: top)" at -590,-3615 h160
  text "4x Mounting holes (130mils hole diameter, for #4-40) location are 2970mils, ±45deg, ±135deg" at -595,-3775 h160

## Text inside footprints (layer, text, board x,y; h text height)
D30: Top Overlay "K" at 1222.07,792.88 h40 r33.75
D32: Top Overlay "K" at 1043.9,1016.06 h40 r45
D35: Top Overlay "K" at 825.62,1200.19 h40 r56.25
D38: Top Overlay "K" at 575.61,1338.2 h40 r67.5
D100: Bottom Overlay "K" at 1016.06,1043.9 h40 r225
D101: Bottom Overlay "K" at 539.24,1353.27 h40 r247.5
D102: Bottom Overlay "K" at 792.88,1222.07 h40 r236.25
D103: Bottom Overlay "K" at 1200.19,825.62 h40 r213.75
J2: Top Overlay "1" at -625,-500 h70 r90
P19: Top Overlay "1" at -625,-1350 h70 r90